# Altium PCB subboard.PcbDoc (part 1 of 2) (continued)
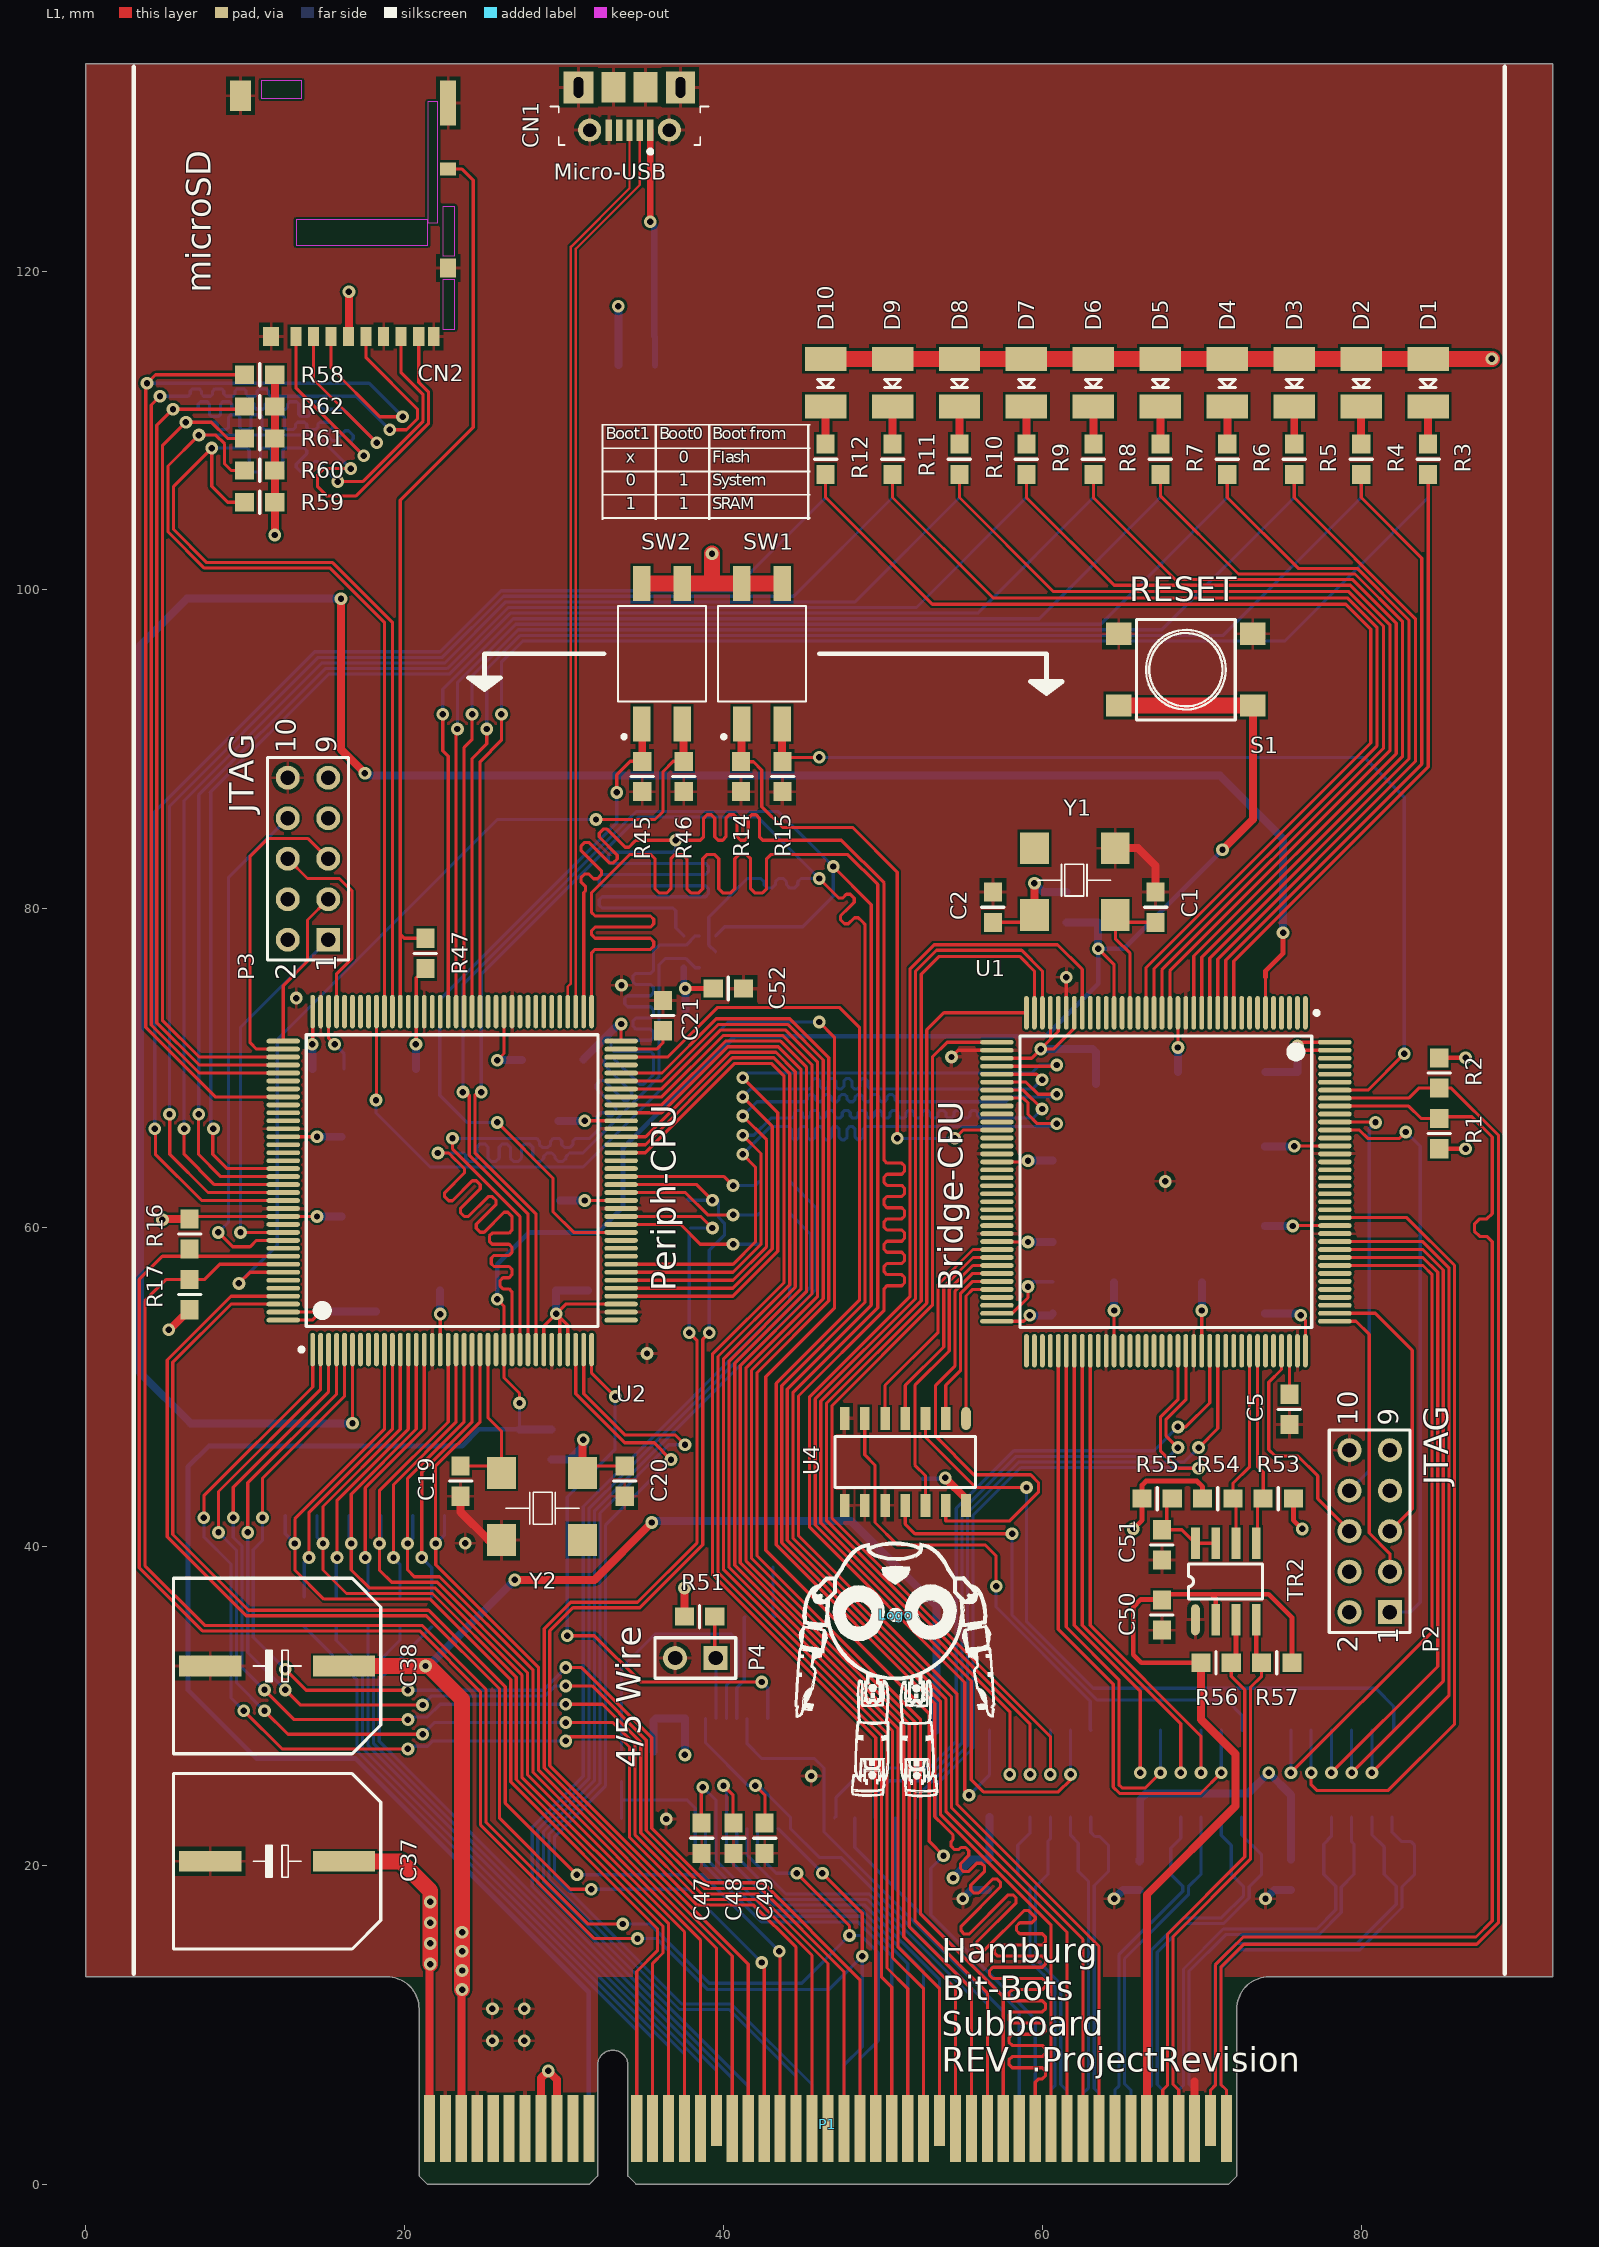
[diagram p0: L1 view]
## Footprints (in the part's own frame and the unit in brackets; to place one, negate y for a bottom-side part, rotate by r counter-clockwise, add the part's x,y. Pads: shape width x height; smd on the part's side, far side on the other; paste and mask are expansions set on the pad) (continued)
MICROSD [mm]
  rect 0.7x1.2 smd: 1(7.975,2.45) 2(6.875,2.45) 3(5.775,2.45) 4(4.675,2.45) 5(3.575,2.45) 6(2.475,2.45) 7(1.375,2.45) 8(0.275,2.45) B(-0.675,2.45)
  rect 1x0.8 smd: A(-1.575,-8.05)
  rect 1x1.2 smd: sh(-1.575,-1.85) sh(9.525,2.45)
  rect 1x2.8 smd: sh(-1.575,-12.2)
  rect 1.3x1.9 smd: sh(11.45,-12.65)
  L1 keep-out region: -2,-1.1 -1.25,-1.1 -1.25,2 -2,2
  L1 keep-out region: -2,-5.7 -1.25,-5.7 -1.25,-2.6 -2,-2.6
  L1 keep-out region: -0.925,-12.275 -0.3,-12.275 -0.3,-4.675 -0.925,-4.675
  L1 keep-out region: 7.6,-13.6 10.15,-13.6 10.15,-12.5 7.6,-12.5
  L1 keep-out region: -0.3,-4.875 7.95,-4.875 7.95,-3.275 -0.3,-3.275
  body extent -1.73,-13.45 12.13,2.7, height 1.69
MLCC2 [mm]
  rect 1.5x2.6 smd: 1(-1.5,0) 2(1.5,0)
  silkscreen extent -0.2,-0.5 0.3,0.5, body extent -1.75,-1.4 1.75,1.4, height 1.7
ONSC-SOT-223_L [mm] "SOT223, 4-Leads, Body 3.7x6.7mm, Pitch 2.3mm, IPC High Density"
  rect 1.05x0.9 smd: 1(-3.375,2.3) 2(-3.375,0) 3(-3.375,-2.3)
  rect 1.05x3.1 smd: 4(3.375,0)
  silkscreen extent -3.5,-3.35 2.45,3.42, body extent -1.85,-3.35 1.85,3.35, height 1.8
PCIeX8-GF-2D-1000-1K-O98 [mm] "Golden finger, PCIeX8, Dual, Opposite, Pitch 1mm, 98-Position"
  rect 0.7x3.2 smd far side paste-1: A1(-9.5,0.5)
  rect 0.7x4.2 smd far side paste-1: A2(-8.5,0) A3(-7.5,0) A4(-6.5,0) A5(-5.5,0) A6(-4.5,0) A7(-3.5,0) A8(-2.5,0) A9(-1.5,0) A10(-0.5,0) A11(0.5,0) A12(3.5,0) A13(4.5,0) A14(5.5,0) A15(6.5,0) A16(7.5,0) A17(8.5,0) A18(9.5,0) A19(10.5,0) A20(11.5,0) A21(12.5,0) A22(13.5,0) A23(14.5,0) A24(15.5,0) A25(16.5,0) A26(17.5,0) A27(18.5,0) A28(19.5,0) A29(20.5,0) A30(21.5,0) A31(22.5,0) A32(23.5,0) A33(24.5,0) A34(25.5,0) A35(26.5,0) A36(27.5,0) A37(28.5,0) A38(29.5,0) A39(30.5,0) A40(31.5,0) A41(32.5,0) A42(33.5,0) A43(34.5,0) A44(35.5,0) A45(36.5,0) A46(37.5,0) A47(38.5,0) A48(39.5,0) A49(40.5,0)
  rect 0.7x4.2 smd paste-1: B1(-9.5,0) B2(-8.5,0) B3(-7.5,0) B4(-6.5,0) B5(-5.5,0) B6(-4.5,0) B7(-3.5,0) B8(-2.5,0) B9(-1.5,0) B10(-0.5,0) B11(0.5,0) B12(3.5,0) B13(4.5,0) B14(5.5,0) B15(6.5,0) B16(7.5,0) B18(9.5,0) B19(10.5,0) B20(11.5,0) B21(12.5,0) B22(13.5,0) B23(14.5,0) B24(15.5,0) B25(16.5,0) B26(17.5,0) B27(18.5,0) B28(19.5,0) B29(20.5,0) B30(21.5,0) B32(23.5,0) B33(24.5,0) B34(25.5,0) B35(26.5,0) B36(27.5,0) B37(28.5,0) B38(29.5,0) B39(30.5,0) B40(31.5,0) B41(32.5,0) B42(33.5,0) B43(34.5,0) B44(35.5,0) B45(36.5,0) B46(37.5,0) B47(38.5,0) B49(40.5,0)
  rect 0.7x3.2 smd paste-1: B17(8.5,0.5) B31(22.5,0.5) B48(39.5,0.5)
R2012 [mm]
  rect 1.2x1.14 smd: 1(-0.95,0) 2(0.95,0)
  silkscreen extent 0,-0.7 0,0.7, body extent -1,-0.62 1,0.63, height 0.78
SOIC8 [mm]
  oval 1.95x0.55 smd: 1(0,0)
  rect 1.95x0.55 smd: 2(0,-1.27) 3(0,-2.54) 4(0,-3.81) 5(4.8,-3.81) 6(4.8,-2.54) 7(4.8,-1.27) 8(4.8,0)
  silkscreen extent 1.3,-4.2 3.5,0.44, body extent -0.6,-4.35 5.4,0.55, height 1.75
SOIC14 [mm] "SOIC, 14-Leads, Body 8,65x3,90mm, Pitch 1,27mm, IPC Medium Density"
  oval 1.45x0.6 smd: 1(-2.725,3.81)
  rect 1.45x0.6 smd: 2(-2.725,2.54) 3(-2.725,1.27) 4(-2.725,0) 5(-2.725,-1.27) 6(-2.725,-2.54) 7(-2.725,-3.81) 8(2.725,-3.81) 9(2.725,-2.54) 10(2.725,-1.27) 11(2.725,0) 12(2.725,1.27) 13(2.725,2.54) 14(2.725,3.81)
  silkscreen extent -1.6,-4.4 1.6,4.4, body extent -2.9,-4.37 3.1,4.38, height 1.75
SPSN-FAC024 [mm] "BGA, 24-Balls, Body 6x8mm, Pitch 1mm"
  round 0.35 smd: A1(-1.5,2.5) A2(-0.5,2.5) A3(0.5,2.5) A4(1.5,2.5) B1(-1.5,1.5) B2(-0.5,1.5) B3(0.5,1.5) B4(1.5,1.5) C1(-1.5,0.5) C2(-0.5,0.5) C3(0.5,0.5) C4(1.5,0.5) D1(-1.5,-0.5) D2(-0.5,-0.5) D3(0.5,-0.5) D4(1.5,-0.5) E1(-1.5,-1.5) E2(-0.5,-1.5) E3(0.5,-1.5) E4(1.5,-1.5) F1(-1.5,-2.5) F2(-0.5,-2.5) F3(0.5,-2.5) F4(1.5,-2.5)
  silkscreen extent -3.77,-4 3,4, body extent -3,-4 3,4, height 1.2
STM-LQFP144_M [mm] "Thin QFP, 144-Leads, Body 20x20mm, Pitch 0.5mm, IPC Low Density"
  oval 2.1x0.3 smd: 1(-10.6,8.75) 2(-10.6,8.25) 3(-10.6,7.75) 4(-10.6,7.25) 5(-10.6,6.75) 6(-10.6,6.25) 7(-10.6,5.75) 8(-10.6,5.25) 9(-10.6,4.75) 10(-10.6,4.25) 11(-10.6,3.75) 12(-10.6,3.25) 13(-10.6,2.75) 14(-10.6,2.25) 15(-10.6,1.75) 16(-10.6,1.25) 17(-10.6,0.75) 18(-10.6,0.25) 19(-10.6,-0.25) 20(-10.6,-0.75) 21(-10.6,-1.25) 22(-10.6,-1.75) 23(-10.6,-2.25) 24(-10.6,-2.75) 25(-10.6,-3.25) 26(-10.6,-3.75) 27(-10.6,-4.25) 28(-10.6,-4.75) 29(-10.6,-5.25) 30(-10.6,-5.75) 31(-10.6,-6.25) 32(-10.6,-6.75) 33(-10.6,-7.25) 34(-10.6,-7.75) 35(-10.6,-8.25) 36(-10.6,-8.75) 73(10.6,-8.75) 74(10.6,-8.25) 75(10.6,-7.75) 76(10.6,-7.25) 77(10.6,-6.75) 78(10.6,-6.25) 79(10.6,-5.75) 80(10.6,-5.25) 81(10.6,-4.75) 82(10.6,-4.25) 83(10.6,-3.75) 84(10.6,-3.25) 85(10.6,-2.75) 86(10.6,-2.25) 87(10.6,-1.75) 88(10.6,-1.25) 89(10.6,-0.75) 90(10.6,-0.25) 91(10.6,0.25) 92(10.6,0.75) 93(10.6,1.25) 94(10.6,1.75) 95(10.6,2.25) 96(10.6,2.75) 97(10.6,3.25) 98(10.6,3.75) 99(10.6,4.25) 100(10.6,4.75) 101(10.6,5.25) 102(10.6,5.75) 103(10.6,6.25) 104(10.6,6.75) 105(10.6,7.25) 106(10.6,7.75) 107(10.6,8.25) 108(10.6,8.75)
  oval 0.3x2.1 smd: 37(-8.75,-10.6) 38(-8.25,-10.6) 39(-7.75,-10.6) 40(-7.25,-10.6) 41(-6.75,-10.6) 42(-6.25,-10.6) 43(-5.75,-10.6) 44(-5.25,-10.6) 45(-4.75,-10.6) 46(-4.25,-10.6) 47(-3.75,-10.6) 48(-3.25,-10.6) 49(-2.75,-10.6) 50(-2.25,-10.6) 51(-1.75,-10.6) 52(-1.25,-10.6) 53(-0.75,-10.6) 54(-0.25,-10.6) 55(0.25,-10.6) 56(0.75,-10.6) 57(1.25,-10.6) 58(1.75,-10.6) 59(2.25,-10.6) 60(2.75,-10.6) 61(3.25,-10.6) 62(3.75,-10.6) 63(4.25,-10.6) 64(4.75,-10.6) 65(5.25,-10.6) 66(5.75,-10.6) 67(6.25,-10.6) 68(6.75,-10.6) 69(7.25,-10.6) 70(7.75,-10.6) 71(8.25,-10.6) 72(8.75,-10.6) 109(8.75,10.6) 110(8.25,10.6) 111(7.75,10.6) 112(7.25,10.6) 113(6.75,10.6) 114(6.25,10.6) 115(5.75,10.6) 116(5.25,10.6) 117(4.75,10.6) 118(4.25,10.6) 119(3.75,10.6) 120(3.25,10.6) 121(2.75,10.6) 122(2.25,10.6) 123(1.75,10.6) 124(1.25,10.6) 125(0.75,10.6) 126(0.25,10.6) 127(-0.25,10.6) 128(-0.75,10.6) 129(-1.25,10.6) 130(-1.75,10.6) 131(-2.25,10.6) 132(-2.75,10.6) 133(-3.25,10.6) 134(-3.75,10.6) 135(-4.25,10.6) 136(-4.75,10.6) 137(-5.25,10.6) 138(-5.75,10.6) 139(-6.25,10.6) 140(-6.75,10.6) 141(-7.25,10.6) 142(-7.75,10.6) 143(-8.25,10.6) 144(-8.75,10.6)
  silkscreen extent -10.72,-9.15 9.15,9.58, body extent -10,-10 10,10, height 1.6
SWITCH [mm]
  rect 1.6x1.4 smd: 1(-4.2,2.25) 1(4.2,2.25) 2(-4.2,-2.25) 2(4.2,-2.25)
  silkscreen extent -3.1,-3.15 3.1,3.15, body extent -4.5,-3 4.5,3, height 4.3
USB-MICROB [mm]
  rect 0.4x1.35 smd: 1(-1.3,1.35) 2(-0.65,1.35) 3(0,1.35) 4(0.65,1.35) 5(1.3,1.35)
  rect 1.8x2 hole 0.6 slot 1.3 at 90 deg: 5(-3.197,-1.325)
  round 1.45 hole 0.85: 5(-2.5,1.35) 5(2.5,1.35)
  rect 1.5x1.9 smd: 5(-1,-1.338) 5(1,-1.338)
  rect 1.9x2 hole 0.6 slot 1.3 at 90 deg: 5(3.197,-1.325)
  silkscreen extent -4.95,-0.13 4.95,2.82, body extent -4.1,-3.9 4.1,1.5, height 2.67

## Part data
BT1: "Multicell Battery"
C1 C2 C3 C4 C5 C6 C7 C8 C9 C10 C11 C12 C13 C14 C15 C16 C17 C18 C19 C20 C21 C22 C23 C24 C25 C26 C27 C28 C29 C30 C31 C32 C33 C34 C35 C36 C39 C40 C42 C43 C44 C45 C46 C47 C48 C49 C50 C51 C52 C53 C411 C412 C413: library part Cap, "Capacitor"
C37 C38: library part "Cap Pol1", "Polarized Capacitor (Radial)"
CN1: library part USB-MicroB
CN2: "Micro SD Card Connector"
D1 D2 D3 D4 D5 D6 D7 D8 D9 D10 D11 D12 D13 D14 D15 D16 D17 D18 D19 D20 D21: library part LED0, "Typical INFRARED GaAs LED"
Logo: library part Logo
P1: library part CMP-0001-00032-2, "Golden finger, PCIeX8, Dual, Opposite, Pitch 1mm, 98-Position"
P2 P3: library part "Header 5X2", "Header, 5-Pin, Dual row"
P4: library part "Header 2", "Header, 2-Pin"
R1 R2 R3 R4 R5 R6 R7 R8 R9 R10 R11 R12 R13 R14 R15 R16 R17 R18 R19 R20 R21 R22 R23 R24 R25 R26 R27 R28 R29 R30 R31 R32 R33 R34 R35 R36 R37 R38 R39 R40 R41 R42 R43 R44 R45 R46 R47 R50 R51 R52 R53 R54 R55 R56 R57 R58 R59 R60 R61 R62 R481 R482 R483 R491 R492 R493: library part Res2, "Resistor"
S1: library part SW-PB, "Switch"
SW1 SW2: library part CMP-1438-00002-1, "WS-DISV 2.54 mm small compact SMD Dip Switch with raised actuator"
TR2: "2-bit bidirectional lo  w voltage translator"
TR11 TR12 TR13: "MAX3079 RS485-Transreceiver"
U1 U2: library part CMP-0243-00063-2, "ARM Cortex-M4 32-bit MCU+FPU, 210 DMIPS, 1024 kB Flash, 192 kB Internal RAM, 114 I/Os, 144-pin LQFP, -40 to 85 degC, Tray"
U3: library part CMP-0592-00001-2, "1.0 A Low-Dropout Positive Fixed Voltage Regulator, 5 V Vout, 0 to 125 degC, 4-Pin SOT-223, Pb-Free, Tape and Reel"
U4 U5: "Quad 3-State Noninverting Buffer"
U6: library part CMP-0379-00026-1, "AR1000 Series Resistive Touch Screen Controller, 1024 x 1024 Resolution, 3.3 Vdc, 5.5 Vdc power, SPI, I²C™ Communication, -40 to 85 degC, 20-pin SSOP (SS20), Tape and Reel"
U7: library part CMP-1329-00014-1, "MirrorBit Flash Non-Volatile Memory CMOS 3.0 Volt Core with Versatile I/O, Serial Peripheral Interface with Multi-I/O, 128 Mbit, 133 MHz, -40 to 85 degC, 24-Ball BGA (FAC024), RoHS, Tray"
Y1 Y2: library part Oszillator, "Oscillator with Enable Input"

## Via types
v1: diameter 0.8, hole 0.4, L1 to L4, 212 vias

## Nets (pads, with @x,y where several pads share a name; then routed paths per layer and width w, separated by ;. In a path a pad name is that pad's centre, name@x,y a point inside that pad or via, vN(x,y) a via of type N, cw(c..) or ccw(c..) an arc to the next point about the centre after c; other vN are vias at no path point)
+1V8: C50.1 P1.B44 R56.2 R57.2 TR2.2 | length 55.3
  L1 w0.3: R56.2@69.95,32.7 66.2,32.7 65.7,33.2 65.7,36.2 66.175,36.675 67.5,36.675 67.825,37 70.6,37 ; TR2.2@70.87,35.4 70.87,36.73 70.6,37 ; R57.2@75.65,32.7 75.65,35.55 74.2,37 70.6,37
  L1 w0.5: P1.B44@66.55,3.5 66.55,18.15 72.12,23.72 72.12,26.98 69.95,29.15 R56.2@69.95,32.7
+3V3: C2.1 C6.2 C7.2 C8.2 C9.2 C10.2 C11.2 C12.2 C13.2 C14.2 C15.2 C16.2 C17.2 C18.2 C20.1 C24.2 C25.2 C26.2 C27.2 C28.2 C29.2 C30.2 C31.2 C32.2 C33.2 C34.2 C35.2 C36.2 C37.1 C40.2 C42.1 C44.1 C45.1 C52.1 C53.1 C411.1 C412.1 C413.1 CN2.4 D1.1 D2.1 D3.1 D4.1 D5.1 D6.1 D7.1 D8.1 D9.1 D10.1 D11.1 D12.1 D13.1 D14.1 D15.1 D16.1 D17.1 D18.1 D19.1 D20.1 P1.A1 P1.B1 P1.B8 P1.B9 P2.2 P3.2 R1.1 R2.2 R13.1 R16.1 R17.2 R44.1 R47.2 R51.2 R53.1 R54.1 R55.2 R58.1 R59.1 R60.1 R61.1 R62.1 SW1.3 SW1.4 SW2.3 SW2.4 TR11.14 TR12.14 TR13.14 U1.17 U1.30 U1.32 U1.33 U1.39 U1.52 U1.62 U1.72 U1.84 U1.95 U1.108 U1.121 U1.131 U1.143 U1.144 U2.17 U2.30 U2.32 U2.33 U2.39 U2.52 U2.62 U2.72 U2.84 U2.95 U2.108 U2.121 U2.131 U2.143 U2.144 U3.2 U4.14 U6.1 U7.B4 Y1.4 Y2.4 | length 353.7
  L1 w0.2: R16.1@6.5,60.55 6.65,60.7 U2.131@12.375,60.7 v1(14.5,60.7) ; U2.144@12.375,54.2 14.2,54.2 14.7,54.7 U2.143@12.375,54.7 ; U2.121@12.375,65.7 v1(14.5,65.7) ; v1(14.2,71.5) 14.225,71.525 U2.108@14.225,73.55 ; v1(20.7,71.5) 20.725,71.525 U2.95@20.725,73.55 20.725,75.675 R47.2@21.3,76.25 ; U2.17@22.225,52.35 v1(22.225,54.575) ; v1(25.8,70.5) 26.225,70.925 U2.84@26.225,73.55 ; U2.30@28.725,52.35 28.725,53.825 v1(29.5,54.6) ; U2.32@29.725,52.35 v1@29.725,54.375 ; U2.33@30.225,52.35 30.225,53.875 v1@29.725,54.375 ; Y2.4@31.15,44.6 31.6,45.05 C20.1@33.8,45.05 ; v1(31.3,61.7) U2.52@33.575,61.7 ; v1(31.3,66.7) U2.62@33.575,66.7 ; U2.39@33.575,55.2 30.1,55.2 v1(29.5,54.6) ; U2.72@33.575,71.7 v1(33.575,72.775) ; C2.1@56.9,79.15 59.05,79.15 Y1.4@59.5,79.6 ; U1.72@57.15,54.125 58.825,54.125 v1(59.2,54.5) ; U1.62@57.15,59.125 57.175,59.1 v1(59.1,59.1) ; U1.52@57.15,64.125 59.025,64.125 v1(59.1,64.2) ; U1.39@57.15,70.625 59.325,70.625 v1(59.9,71.2) ; U1.33@60.5,73.475 60.5,71.8 ; U1.32@61,73.475 61,72.3 60.5,71.8 ; U1.30@62,73.475 62,72.509 60.691,71.2 v1(59.9,71.2) ; U1.84@64.5,52.275 v1(64.5,54.8) ; v1(68.5,71.3) U1.17@68.5,73.475 ; U1.95@70,52.275 v1(70,54.8) ; v1(75.7,60.1) 75.725,60.125 U1.121@78.35,60.125 ; v1(75.8,65.1) 75.825,65.125 U1.131@78.35,65.125 ; v1(76.2,54.5) 76.5,54.2 U1.108@76.5,52.275 ; U1.143@78.35,71.125 76.275,71.125 v1(76,71.4) 76.225,71.625 U1.144@78.35,71.625 ; v1(29.5,54.6) v1@29.725,54.375 ; v1(59.9,71.2) 60.5,71.8
  L1 w0.3: v1(37.6,75) C52.1@39.35,75 ; v1(65.7,41.1) 66.25,41.65 R55.2@66.25,43 66.25,43.85 66.5,44.1 69.7,44.1 70.05,43.75 R54.1@70.05,43 ; R53.1@75.75,43 75.75,41.65 v1(76.3,41.1) ; R1.1@84.9,64.95 v1(86.55,64.95) ; R2.2@84.9,70.65 v1(86.55,70.65)
  L1 w0.5: v1(4.8,60.5) 4.85,60.55 R16.1@6.5,60.55 ; v1(5.2,53.6) 5.25,53.6 R17.2@6.5,54.85 ; v1(11.85,103.45) R59.1@11.85,105.5 R60.1@11.85,107.5 R61.1@11.85,109.5 R62.1@11.85,111.5 R58.1@11.85,113.5 ; CN2.4@16.475,115.9 16.5,115.925 v1(16.5,118.7) ; P1.B1@21.55,3.5 21.55,13.75 v1(21.6,13.8) ; P1.B8@28.55,3.5 28.55,6.65 v1(29,7.1) 29.55,6.55 P1.B9@29.55,3.5 ; Y2.4@31.15,44.6 31.15,46.65 v1(31.2,46.7) ; R51.2@37.55,35.6 v1(37.55,37.4) ; v1(53.9,44.3) 55.21,42.99 U4.14@55.21,42.575 ; Y1.4@59.5,79.6 v1(59.5,81.6)
  L1 w1: C37.1@16.2,20.25 19.75,20.25 21.6,18.4 v1(21.6,17.7) v1(21.6,16.4) v1(21.6,15.1) v1(21.6,13.8) ; SW2.4@34.88,100.4 SW2.3@37.42,100.4 39.275,100.4 ; v1(39.275,102.275) 39.275,100.4 ; SW1.3@43.67,100.4 SW1.4@41.13,100.4 39.275,100.4 ; D10.1@46.4,114.5 D9.1@50.6,114.5 D8.1@54.8,114.5 D7.1@59,114.5 D6.1@63.2,114.5 D5.1@67.4,114.5 D4.1@71.6,114.5 D3.1@75.8,114.5 D2.1@80,114.5 D1.1@84.2,114.5 v1(88.2,114.5)
  L4 w0.3: v1@37.5,75.1 v1(37.6,75) ; C42.1@52.5,44.25 53.85,44.25 v1(53.9,44.3)
  L4 w0.4: v1@37.5,75.1 U7.B4@37.5,76.3
  L4 w0.5: C24.2@14.2,69.95 v1(14.2,71.5) ; v1(14.5,60.7) C33.2@16.05,60.7 ; v1(14.5,65.7) C34.2@16.05,65.7 ; v1(14.75,54.75) C32.2@16.4,54.75 C25.2@18.2,54.75 ; C26.2@20.7,69.95 v1(20.7,71.5) ; P1.A1@21.55,4 21.55,13.75 v1(21.6,13.8) v1(21.6,15.1) v1(21.6,16.4) v1(21.6,17.7) ; C31.2@22.2,56.05 22.225,56.025 v1(22.225,54.575) ; v1(25.8,70.5) C27.2@27.35,70.5 ; R44.1@29.2,45.45 30.35,45.45 31.2,46.3 v1(31.2,46.7) ; v1(29.5,54.6) C29.2@29.5,56.05 C35.2@31.5,56.05 ; C30.2@29.65,66.7 v1(31.3,66.7) ; C36.2@29.75,61.7 v1(31.3,61.7) ; C28.2@31.2,70.55 33.425,72.775 v1(33.575,72.775) ; U3.2@33.4,114.1 C40.2@33.4,115.925 v1(33.4,117.8) ; C45.1@35.6,27.15 C44.1@35.6,29.05 35.75,29.2 U6.1@37.575,29.2 v1(37.575,26.925) ; C53.1@37.6,73.65 v1(37.6,75) ; v1(54.4,19.2) 55.55,20.35 C413.1@56.5,20.35 ; C413.1@56.6,20.35 56.69,20.44 TR11.14@56.69,23.025 ; v1(59.1,59.1) C16.2@60.65,59.1 ; v1(59.1,64.2) C11.2@60.65,64.2 ; v1(59.2,54.5) 60.55,54.5 C15.2@60.65,54.6 ; v1(59.5,81.6) 60.05,81.05 R13.1@61.5,81.05 ; v1(59.9,71.2) 63.15,71.2 C17.2@63.35,71 C18.2@63.35,69 ; v1(64.5,54.8) C14.2@64.5,56.55 ; C411.1@66.1,20.35 66.1,20.25 66.14,20.29 TR12.14@66.14,23.025 66.14,24.14 66.5,24.5 72.9,24.5 v1(74.2,25.8) 75.59,24.41 TR13.14@75.59,23.025 ; C6.2@68.5,69.75 v1(68.5,71.3) ; v1(70,54.8) C13.2@70,56.55 ; C12.2@73.95,54.6 76.1,54.6 v1(76.2,54.5) ; C10.2@73.95,60.1 v1(75.7,60.1) ; C9.2@73.95,65.1 v1(75.8,65.1) ; C8.2@74,69.75 C7.2@76,69.75 v1(76,71.4) ; C412.1@75.6,20.35 TR13.14@75.6,22.935
  L4 w1: D20.1@46.4,114.5 D19.1@50.6,114.5 D18.1@54.8,114.5 D17.1@59,114.5 D16.1@63.2,114.5 D15.1@67.4,114.5 D14.1@71.6,114.5 D13.1@75.8,114.5 D12.1@80,114.5 D11.1@84.2,114.5 v1(88.2,114.5)
+5V: C38.1 C43.1 P1.A3 P1.B3 U5.14 | length 93.4
  L1 w0.5: P1.B3@23.55,3.5 23.55,12.15 v1(23.6,12.2) ; v1(26.9,37.9) 31.9,37.9 v1(35.5,41.5)
  L1 w1: C38.1@16.2,32.5 v1(21.3,32.5) 21.5,32.5 23.6,30.4 v1(23.6,15.8) v1(23.6,14.6) v1(23.6,13.4) v1(23.6,12.2)
  L4 w0.5: v1(21.3,32.5) 21.5,32.5 v1(26.9,37.9) ; P1.A3@23.55,3.5 23.55,12.15 v1(23.6,12.2) ; v1(35.5,41.5) 35.6,41.6 48,41.6 53.35,36.25 C43.1@53.35,30.6 53.31,30.56 U5.14@53.31,28.425
  L4 w1: v1(23.6,12.2) v1(23.6,13.4) v1(23.6,14.6) v1(23.6,15.8)
\FLASH_SS: U2.27 U7.C2 | length 64
  L1 w0.2: v1(23,65.6) 23,64.928 27.225,60.703 U2.27@27.225,52.35
  L4 w0.2: v1(23,65.6) 27.9,65.6 28.275,65.6 28.45,65.425 28.45,65.206 28.625,65.031 28.975,65.031 29.15,65.206 29.15,65.425 29.325,65.6 29.675,65.6 29.85,65.425 29.85,65.206 30.025,65.031 30.375,65.031 30.55,65.206 30.55,65.425 30.725,65.6 31.25,65.6 31.6,65.6 31.888,65.888 32.259,66.259 32.259,66.506 32.05,66.716 32.05,66.963 32.297,67.211 32.545,67.211 32.754,67.001 33.001,67.001 33.249,67.249 33.249,67.496 32.02,68.725 32.02,68.973 32.267,69.22 32.515,69.22 33.744,67.991 33.991,67.991 34.239,68.239 34.239,68.486 32.502,70.223 32.502,70.47 32.75,70.718 32.997,70.718 34.734,68.981 34.981,68.981 35.353,69.353 35.6,69.6 35.6,69.65 35.6,70.35 35.6,70.875 35.425,71.05 33.107,71.05 32.932,71.225 32.932,71.575 33.107,71.75 35.425,71.75 35.6,71.925 35.6,72.275 35.425,72.45 34.5,72.45 34.325,72.625 34.325,72.975 34.5,73.15 35.425,73.15 35.6,73.325 35.6,73.675 35.425,73.85 33.974,73.85 33.799,74.025 33.799,74.375 33.974,74.55 35.425,74.55 35.6,74.725 35.6,75.075 35.425,75.25 34.49,75.25 34.315,75.425 34.315,75.775 34.49,75.95 35.425,75.95 35.6,76.125 35.6,76.65 35.6,77 35.6,77.351 35.974,77.725 37.65,77.725 38.225,78.3 U7.C2@38.5,78.3
\FLASH_WP: U2.26 U7.C4 | length 63.9
  L1 w0.2: v1(22.081,64.681) 22.753,64.681 23.133,64.3 23.381,64.053 23.752,63.681 23.752,63.434 22.504,62.185 22.504,61.938 22.751,61.69 22.999,61.69 24.247,62.939 24.494,62.939 24.742,62.691 24.742,62.444 23.494,61.195 23.494,60.948 23.741,60.7 23.988,60.7 25.237,61.949 25.484,61.949 25.732,61.701 25.732,61.454 24.483,60.205 24.483,59.958 24.731,59.71 24.978,59.71 26.227,60.959 26.474,60.959 26.725,60.708 26.725,60.358 26.725,59.833 26.55,59.658 25.483,59.658 25.308,59.483 25.308,59.133 25.483,58.958 26.55,58.958 26.725,58.783 26.725,58.433 26.55,58.258 25.6,58.258 25.425,58.083 25.425,57.733 25.6,57.558 26.55,57.558 26.725,57.383 26.725,57.033 26.55,56.858 26.159,56.858 25.984,56.683 25.984,56.333 26.159,56.158 26.55,56.158 26.725,55.983 26.725,55.7 U2.26@26.725,52.35
  L4 w0.2: v1(22.081,64.681) 23.7,64.681 23.826,64.555 23.826,64.36 24.036,64.15 24.316,64.15 24.526,64.36 24.526,64.681 24.526,65.04 24.736,65.25 25.016,65.25 25.226,65.04 25.226,64.681 25.226,64.36 25.436,64.15 25.716,64.15 25.926,64.36 25.926,64.681 25.926,65.04 26.136,65.25 26.416,65.25 26.626,65.04 26.626,64.681 26.626,64.36 26.836,64.15 27.116,64.15 27.326,64.36 27.326,64.681 27.326,65.04 27.536,65.25 27.816,65.25 28.026,65.04 28.026,64.681 28.026,64.36 28.236,64.15 28.516,64.15 28.726,64.36 28.726,64.471 28.936,64.681 29.216,64.681 29.426,64.471 29.426,64.36 29.636,64.15 29.916,64.15 30.126,64.36 30.126,64.471 30.336,64.681 30.826,64.681 31.176,64.681 31.248,64.753 31.743,65.248 32.238,65.743 32.733,66.238 33.228,66.733 33.723,67.228 34.218,67.723 34.713,68.218 35.208,68.713 35.703,69.208 35.95,69.455 35.95,76.501 36.324,76.875 37.65,76.875 38.225,76.3 U7.C4@38.5,76.3
\RST: C3.2 C22.2 P1.A11 R13.2 R44.2 S1.1 U1.25 U2.25 | length 176.3
  L1 w0.2: v1(25.8,55.5) 26.225,55.075 U2.25@26.225,52.35 26.225,50.575 27.2,49.6 v1(27.2,49) ; v1(63.5,77.5) 64.5,76.5 U1.25@64.5,73.475
  L1 w0.5: v1(71.3,83.7) 73.2,85.6 S1.1@73.2,92.75
  L1 w1: S1.1@64.8,92.75 S1.1@73.2,92.75
  L4 w0.2: C22.2@27.2,47.35 v1(27.2,49)
  L4 w0.3: v1(25.8,55.5) 25.8,57.7 27.8,59.7 32.1,59.7 33.7,61.3 33.7,65 40.7,72 60.2,72 63.5,75.3 v1(63.5,77.5) 65.1,77.5 v1(71.3,83.7) ; C22.2@27.2,47.35 C22.2@27.1,47.35 24.65,47.35 23.6,46.3 7.7,46.3 6.4,45 6.4,31 10.7,26.7 16.9,26.7 31.55,12.05 P1.A11@31.55,3.5
  L4 w0.5: C22.2@27.2,47.35 R44.2@29.2,47.35 ; R13.2@61.5,79.15 C3.2@63.5,79.15 v1(63.5,77.5)
A1_N: P1.A39 R481.1 TR11.11 | length 20.7
  L4 w0.2: TR11.11@60.5,23.025 60.5,21.675 60.35,21.525 R481.1@60.35,20.3 60.35,19.43 59.575,18.655 59.575,14.125 61.15,12.55 61.15,6.25 61.55,5.85 P1.A39@61.55,3.5
A1_P: P1.A38 R481.2 TR11.12 | length 20.9
  L4 w0.2: TR11.12@59.23,23.025 59.23,22.03 58.45,21.25 R481.2@58.45,20.3 58.45,19.43 59.225,18.655 59.225,13.98 60.8,12.405 60.8,6.2 60.55,5.95 P1.A38@60.55,3.5
A2_N: P1.A43 R482.1 TR12.11 | length 21.7
  L4 w0.2: P1.A43@65.55,3.5 65.55,5.9 65.15,6.3 65.15,14.13 69.16,18.14 69.16,18.64 69.95,19.43 R482.1@69.95,20.3 TR12.11@69.95,23.025
A2_P: P1.A42 R482.2 TR12.12 | length 21.9
  L4 w0.2: P1.A42@64.55,3.5 64.55,5.9 64.8,6.15 64.8,14.375 68.8,18.375 68.8,18.68 68.05,19.43 R482.2@68.05,20.3 68.05,21.075 68.68,21.705 TR12.12@68.68,23.025
A3_N: P1.A47 R483.1 TR13.11 | length 27.4
  L4 w0.2: P1.A47@69.55,3.5 69.55,5.9 69.2,6.25 69.2,13.35 71.5,15.65 77.35,15.65 78.75,17.05 78.75,18.63 79.55,19.43 R483.1@79.55,20.3 79.55,21.33 79.4,21.48 TR13.11@79.4,23.025
A3_P: P1.A46 R483.2 TR13.12 | length 27.5
  L4 w0.2: P1.A46@68.55,3.5 68.55,5.9 68.85,6.2 68.85,13.495 71.355,16 77.2,16 78.4,17.2 78.4,18.68 77.65,19.43 R483.2@77.65,20.3 77.65,21.33 78.13,21.81 TR13.12@78.13,23.025
BOOT0_1: R15.2 SW1.2 U1.138 | length 63.9
  L1 w0.2: R15.2@43.7,89.25 43.95,89.5 v1(46,89.5) ; U1.138@78.35,68.625 80.425,68.625 v1(82.7,70.9)
  L1 w0.5: R15.2@43.67,89.22 SW1.2@43.67,91.6
  L4 w0.2: v1(46,89.5) 80.2,89.5 82.7,87 v1(82.7,70.9)
BOOT0_2: R46.2 SW2.2 U2.138 | length 55.9
  L1 w0.2: v1(9.6,56.5) 10.3,57.2 U2.138@12.375,57.2 ; v1(32,85.6) 35.7,85.6 36.2,86.1 36.2,88.6 36.85,89.25 R46.2@37.5,89.25
  L1 w0.5: R46.2@37.5,89.25 SW2.2@37.5,91.63
  L4 w0.2: v1(9.6,56.5) 12,58.9 12,71.8 25.8,85.6 v1(32,85.6)
BOOT1_1: R14.1 SW1.1 U1.48 | length 39.5
  L1 w0.2: R14.1@41.13,89.22 41.88,89.22 42.4,88.7 42.4,86.4 43.7,85.1 48.1,85.1 50.9,82.3 v1(50.9,65.6) ; v1(54.5,65.6) 55.025,66.125 U1.48@57.15,66.125
  L1 w0.5: R14.1@41.13,89.22 SW1.1@41.13,91.554
  L4 w0.2: v1(50.9,65.6) v1(54.5,65.6)
BOOT1_2: R45.1 SW2.1 U2.48 | length 45.1
  L1 w0.2: v1(25.8,66.6) 29.3,63.1 29.3,61 30.6,59.7 U2.48@33.575,59.7 ; v1(33.3,87.3) 33.3,88.4 34.15,89.25 R45.1@34.9,89.25
  L1 w0.5: R45.1@34.9,89.25 SW2.1@34.9,91.57
  L4 w0.2: v1(25.8,66.6) 23.9,66.6 22.2,68.3 22.2,74.3 33.3,85.4 v1(33.3,87.3)
BRIDGE1.\RE: TR13.3 U1.117 | length 43.7
  L1 w0.2: v1(78.13,25.8) 84.8,32.47 84.8,57.195 83.87,58.125 U1.117@78.35,58.125
  L4 w0.2: v1(78.13,25.8) TR13.3@78.13,28.475
BRIDGE1.DE: TR13.4 U1.118 | length 43.9
  L1 w0.2: U1.118@78.35,58.625 83.865,58.625 85.15,57.34 85.15,31.55 v1(79.4,25.8)
  L4 w0.2: v1(79.4,25.8) TR13.4@79.4,28.475
BRIDGE1.H/F\: TR13.1 U1.116 | length 43.9
  L1 w0.2: v1(75.59,25.8) 84.45,34.66 84.45,57.05 83.875,57.625 U1.116@78.35,57.625
  L4 w0.2: v1(75.59,25.8) TR13.1@75.59,28.475
BRIDGE1.UART.RX: TR13.2 U1.122 | length 51.8
  L1 w0.2: v1(76.86,25.8) 76.86,25.04 77.2,24.7 81.7,24.7 85.85,28.85 85.85,57.63 82.855,60.625 U1.122@78.35,60.625
  L4 w0.2: v1(76.86,25.8) TR13.2@76.86,28.475
BRIDGE1.UART.TX: TR13.5 U1.119 | length 44.2
  L1 w0.2: U1.119@78.35,59.125 83.86,59.125 85.5,57.485 85.5,30.63 v1(80.67,25.8)
  L4 w0.2: v1(80.67,25.8) TR13.5@80.67,28.475
BRIDGE2.\RE: TR11.3 U1.36 | length 64.1
  L1 w0.2: U1.36@59,73.475 53.825,73.475 52.75,72.4 52.75,55.265 46.45,48.965 46.45,41.635 59.23,28.855 v1(59.23,25.7)
  L4 w0.2: v1(59.23,25.7) TR11.3@59.23,28.475
BRIDGE2.DE: TR11.4 U1.37 | length 60.5
  L1 w0.2: U1.37@57.15,71.625 54.025,71.625 53.1,70.7 53.1,55.12 46.8,48.82 46.8,41.78 60.5,28.08 v1(60.5,25.7)
  L4 w0.2: v1(60.5,25.7) TR11.4@60.5,28.475
BRIDGE2.H/F\: TR11.1 U1.29 | length 78
  L1 w0.2: v1(55.4,24.4) 55.134,24.666 55.134,31.466 45.4,41.2 45.4,49.4 51.7,55.7 51.7,76.24 53.21,77.75 60.95,77.75 62.5,76.2 U1.29@62.5,73.475
  L4 w0.2: v1(55.4,24.4) 56.69,25.69 TR11.1@56.69,28.475
BRIDGE2.UART.RX: TR11.2 U1.35 | length 71.1
  L1 w0.2: v1(57.96,25.7) 57.96,29.63 46.1,41.49 46.1,49.11 52.4,55.41 52.4,75.9 53.5,77 58.6,77 59.5,76.1 U1.35@59.5,73.475
  L4 w0.2: v1(57.96,25.7) TR11.2@57.96,28.475
BRIDGE2.UART.TX: TR11.5 U1.34 | length 79
  L1 w0.2: U1.34@60,73.475 60,76.095 58.695,77.4 53.355,77.4 52.05,76.095 52.05,55.555 45.75,49.255 45.75,41.345 55.534,31.561 55.534,25.366 56.3,24.6 61,24.6 61.77,25.37 v1(61.77,25.7)
  L4 w0.2: v1(61.77,25.7) TR11.5@61.77,28.475
BRIDGE3.\RE: TR12.3 U1.80 | length 31.7
  L1 w0.2: U1.80@62.5,52.275 62.5,35.054 68.68,28.874 v1(68.68,25.8)
  L4 w0.2: v1(68.68,25.8) TR12.3@68.68,28.475
BRIDGE3.DE: TR12.4 U1.81 | length 32
  L1 w0.2: U1.81@63,52.275 63,35.049 69.95,28.099 v1(69.95,25.8)
  L4 w0.2: v1(69.95,25.8) TR12.4@69.95,28.475
BRIDGE3.H/F\: TR12.1 U1.79 | length 30.9
  L1 w0.2: U1.79@62,52.275 62,35.059 66.14,30.919 v1(66.14,25.8)
  L4 w0.2: v1(66.14,25.8) TR12.1@66.14,28.475
BRIDGE3.UART.RX: TR12.2 U1.78 | length 34.4
  L1 w0.2: U1.78@61.5,52.275 61.5,34.945 64.8,31.645 64.8,25.05 65,24.85 66.46,24.85 v1(67.41,25.8)
  L4 w0.2: v1(67.41,25.8) TR12.2@67.41,28.475
BRIDGE3.UART.TX: TR12.5 U1.77 | length 39
  L1 w0.2: U1.77@61,52.275 61,34.8 64.45,31.35 64.45,24.905 64.855,24.5 69.92,24.5 v1(71.22,25.8)
  L4 w0.2: v1(71.22,25.8) TR12.5@71.22,28.475
BUT0: P1.B12 R26.1 U2.10 | length 66.9
  L1 w0.2: v1@13.108,40.039 13.108,38.521 14.929,36.7 21.6,36.7 26.65,31.65 26.65,25.237 35.85,16.037 35.85,14.639 34.55,13.339 P1.B12@34.55,3.5 ; v1(13.108,40.184) 13.108,41.729 18.725,47.346 U2.10@18.725,52.35
  L4 w0.2: R26.1@12.5,41.95 12.5,40.791 v1(13.108,40.184)
BUT1: P1.B13 R27.1 U2.12 | length 64.9
  L1 w0.2: v1@14.875,40.039 14.875,38.521 16.347,37.05 21.745,37.05 27,31.795 27,25.382 36.2,16.182 36.2,14.494 35.55,13.844 P1.B13@35.55,3.5 ; v1(14.875,40.184) 14.875,42.507 19.725,47.356 U2.12@19.725,52.35
  L4 w0.2: R27.1@14.5,41.95 14.5,40.559 v1(14.875,40.184)
BUT2: P1.B14 R28.1 U2.14 | length 62.9
  L1 w0.2: v1@16.643,40.039 16.643,38.521 17.764,37.4 21.89,37.4 27.35,31.94 27.35,25.527 36.55,16.327 P1.B14@36.55,3.5 ; v1(16.643,40.184) 16.643,43.285 20.725,47.366 U2.14@20.725,52.35
  L4 w0.2: R28.1@16.5,41.95 16.5,40.327 v1(16.643,40.184)
BUT3: P1.B15 R29.1 U2.18 | length 61.9
  L1 w0.2: v1@18.411,40.039 18.411,38.521 19.182,37.75 22.035,37.75 27.7,32.085 27.7,25.672 37.55,15.822 P1.B15@37.55,3.5 ; v1(18.411,40.184) 18.411,43.491 22.725,47.805 U2.18@22.725,52.35
  L4 w0.2: v1(18.411,40.184) 18.5,40.273 R29.1@18.5,41.95
BUT4: P1.B16 R30.1 U2.20 | length 60.8
  L1 w0.2: U2.20@23.725,52.35 23.725,47.815 20.179,44.269 v1(20.179,40.184) 20.179,38.521 20.6,38.1 22.18,38.1 28.05,32.23 28.05,25.817 38.55,15.317 P1.B16@38.55,3.5
  L4 w0.2: v1(20.179,40.184) 20.5,40.505 R30.1@20.5,41.95
BUT5: P1.B17 R31.1 U2.22 | length 58.8
  L1 w0.2: U2.22@24.725,52.35 24.725,47.825 21.927,45.027 21.927,40.203 v1(21.946,40.184) 21.946,38.854 28.4,32.4 28.4,25.962 39.55,14.812 P1.B17@39.55,4
  L4 w0.2: v1(21.946,40.184) 22.5,40.737 R31.1@22.5,41.95
BUT6: P1.B18 R32.1 U2.50 | length 75.1
  L1 w0.2: U2.50@33.575,60.7 38.575,60.7 v1(39.3,59.975) ; v1(37.85,53.4) 38.341,52.909 38.341,40.241 34.6,36.5 30.405,36.5 28.75,34.845 28.75,26.107 40.55,14.307 P1.B18@40.55,3.5
  L4 w0.2: v1(37.85,53.4) R32.1@37.85,59.7 ; R32.1@37.925,59.975 v1(39.3,59.975)
BUT7: P1.B19 R33.1 U2.54 | length 78.6
  L1 w0.2: U2.54@33.575,62.7 38.316,62.7 v1(39.3,61.716) ; v1(39.1,53.4) 38.691,52.991 38.691,40.096 34.745,36.15 30.55,36.15 29.1,34.7 29.1,26.252 41.55,13.802 P1.B19@41.55,3.5
  L4 w0.2: R33.1@37.75,61.8 37.834,61.716 v1(39.3,61.716) 39.681,61.716 39.681,60.655 40.05,60.286 40.05,59.525 39.1,58.575 v1(39.1,53.4)
GND: BT1.2 C1.1 C2.2 C3.1 C4.2 C5.2 C6.1 C7.1 C8.1 C9.1 C10.1 C11.1 C12.1 C13.1 C14.1 C15.1 C16.1 C17.1 C18.1 C19.1 C20.2 C21.2 C22.1 C23.2 C24.1 C25.1 C26.1 C27.1 C28.1 C29.1 C30.1 C31.1 C32.1 C33.1 C34.1 C35.1 C36.1 C37.2 C38.2 C39.1 C40.1 C42.2 C43.2 C44.2 C45.2 C46.1 C47.1 C48.1 C49.1 C50.2 C51.2 C52.2 C53.2 C411.2 C412.2 C413.2 CN1.5 CN2.6 CN2.B CN2.sh D21.2 P1.A2 P1.A4 P1.A5 P1.A6 P1.A7 P1.A8 P1.A9 P1.B2 P1.B4 P1.B7 P1.B47 P2.10 P3.10 P4.2 R14.2 R15.1 R26.2 R27.2 R28.2 R29.2 R30.2 R31.2 R32.2 R33.2 R45.2 R46.1 S1.2 TR2.1 TR11.7 TR12.7 TR13.7 U1.16 U1.31 U1.38 U1.51 U1.61 U1.83 U1.94 U1.107 U1.120 U1.130 U2.16 U2.31 U2.38 U2.51 U2.61 U2.83 U2.94 U2.107 U2.120 U2.130 U3.1 U3.4 U4.7 U4.8 U4.9 U4.10 U5.7 U5.8 U5.9 U5.10 U5.11 U5.12 U5.13 U6.2 U6.8 U6.20 U7.B3 Y1.2 Y2.2 | length 22.6
  L1 w0.2: v1(54.3,70.7) 54.725,71.125 U1.38@57.15,71.125 ; U1.31@61.5,73.475 v1(61.5,75.7)
  L1 w0.5: C19.1@23.5,43.15 23.5,42.168 25.221,40.446 25.221,40.4 Y2.2@26.07,40.4 ; Y1.2@64.58,83.8 66,83.8 67.1,82.7 C1.1@67.1,81.05 ; P1.B47@69.55,3.5 69.55,6.45
  L4 w0.5: v1(55,17.9) 55.55,18.45 C413.2@56.5,18.45 C413.2@56.6,18.45 ; v1(64.5,17.9) 65.05,18.45 C411.2@66.1,18.45 ; v1(74,17.9) 74.55,18.45 C412.2@75.6,18.45
  other v1: 25.5,9 27.5,9 25.5,11 27.5,11 36.4,22.9 45.5,25.6 23.8,40.2 35.2,52.1 67.7,62.9 13.2,74.4 33.6,75.2
GPIO0: P1.B20 U2.141 | length 83.6
  L1 w0.2: U2.141@12.375,55.7 9.105,55.7 5.1,51.695 5.1,40.605 10.055,35.65 21.355,35.65 25.95,31.055 25.95,22.95 30.4,18.5 v1(31.7,18.5) ; v1(42.4,13.9) 42.55,13.75 P1.B20@42.55,3.5
  L4 w0.2: v1(31.7,18.5) 37.8,18.5 v1(42.4,13.9)
GPIO1: P1.B21 U2.142 | length 83.5
  L1 w0.2: U2.142@12.375,55.2 9.1,55.2 5.45,51.55 5.45,40.75 10.2,36 21.5,36 26.3,31.2 26.3,23.9 v1(30.8,19.4) ; v1(43.5,14.6) 43.55,14.55 P1.B21@43.55,3.5
  L4 w0.2: v1(30.8,19.4) 38.7,19.4 v1(43.5,14.6)
GPIO2: P1.B22 U2.1 | length 82.6
  L1 w0.2: v1(7.4,41.8) 7.4,43.175 14.225,50 U2.1@14.225,52.35 ; v1(9.9,29.7) 12.3,27.3 v1(20.2,27.3) ; v1(30.1,27.8) 30.359,28.059 33.459,28.059 34.1,27.417 34.1,21.747 38.347,17.5 41.9,17.5 44.55,14.85 P1.B22@44.55,3.5
  L4 w0.2: v1(7.4,41.8) 7.4,40.6 9.1,38.9 9.1,30.5 v1(9.9,29.7) ; v1(20.2,27.3) 20.369,27.469 21.43,27.469 21.761,27.8 v1(30.1,27.8)
GPIO3: P1.B23 U2.2 | length 82
  L1 w0.2: v1(8.319,40.881) 8.319,43.449 14.725,49.855 U2.2@14.725,52.35 ; v1(11.2,29.7) 12.681,28.219 v1(21.119,28.219) ; v1(30.1,28.95) 33.062,28.95 34.45,27.562 34.45,21.892 38.492,17.85 42.045,17.85 45.55,14.345 P1.B23@45.55,3.5
  L4 w0.2: v1(8.319,40.881) 9.45,39.75 9.45,31.45 v1(11.2,29.7) ; v1(21.119,28.219) 21.85,28.95 v1(30.1,28.95)
GPIO4: P1.B24 U2.3 | length 81.6
  L1 w0.2: v1(9.238,41.8) 9.238,43.724 15.225,49.71 U2.3@15.225,52.35 ; v1(11.2,31) 13.062,29.138 v1(20.2,29.138) ; v1(30.1,30.1) 32.407,30.1 34.8,27.707 34.8,22.037 38.637,18.2 42.19,18.2 46.55,13.84 P1.B24@46.55,3.5
  L4 w0.2: v1(9.238,41.8) 9.238,40.562 9.8,40 9.8,32.4 v1(11.2,31) ; v1(20.2,29.138) 20.369,29.308 21.43,29.308 22.222,30.1 v1(30.1,30.1)
GPIO5: P1.B25 U2.4 | length 81.1
  L1 w0.2: v1(10.158,40.881) 10.158,43.998 15.725,49.565 U2.4@15.725,52.35 ; v1(12.5,31) 13.442,30.058 v1(21.119,30.058) ; v1(30.1,31.25) 31.752,31.25 35.15,27.852 35.15,22.181 38.781,18.55 42.335,18.55 47.55,13.335 P1.B25@47.55,3.5
  L4 w0.2: v1(10.158,40.881) 10.15,40.873 10.15,33.35 v1(12.5,31) ; v1(21.119,30.058) 21.688,30.627 28.822,30.627 29.445,31.25 v1(30.1,31.25)
GPIO6: P1.B26 U2.5 | length 81.2
  L1 w0.2: v1(11.077,41.8) 11.077,44.272 16.225,49.42 U2.5@16.225,52.35 ; v1(12.5,32.3) 13.823,30.977 v1(20.2,30.977) ; v1(30.1,32.4) 31.097,32.4 35.5,27.997 35.5,22.326 38.926,18.9 42.48,18.9 48.55,12.83 P1.B26@48.55,3.5
  L4 w0.2: v1(11.077,41.8) 11.077,40.377 10.5,39.8 10.5,34.3 v1(12.5,32.3) ; v1(20.2,30.977) 28.677,30.977 v1(30.1,32.4)
GPIO7: P1.B27 U2.58 | length 85
  L1 w0.2: U2.58@33.575,64.7 35.1,64.7 40.7,70.3 43,70.3 43.8,69.5 43.8,56.56 39.3,52.06 39.3,38.245 49.55,27.995 P1.B27@49.55,3.5
GPIO8: P1.B28 U2.59 | length 85.8
  L1 w0.2: U2.59@33.575,65.2 35.105,65.2 40.555,70.65 43.145,70.65 44.15,69.645 44.15,56.415 39.65,51.915 39.65,38.39 49.9,28.14 49.9,13 50.55,12.35 P1.B28@50.55,3.5
GPIO9: P1.B29 U2.60 | length 86.6
  L1 w0.2: U2.60@33.575,65.7 35.11,65.7 40.41,71 43.29,71 44.5,69.79 44.5,56.27 40,51.77 40,38.535 50.25,28.285 50.25,13.555 51.55,12.255 P1.B29@51.55,3.5
GPIO10: P1.B30 U2.63 | length 86.9
  L1 w0.2: U2.63@33.575,67.2 36.115,67.2 40.265,71.35 43.435,71.35 44.85,69.935 44.85,56.125 40.35,51.625 40.35,38.68 50.6,28.43 50.6,14.205 52.55,12.255 P1.B30@52.55,3.5
GPIO11: P1.B31 U2.64 | length 87.2
  L1 w0.2: U2.64@33.575,67.7 36.12,67.7 40.12,71.7 43.58,71.7 45.2,70.08 45.2,55.98 40.7,51.48 40.7,38.825 50.95,28.575 50.95,14.855 53.55,12.255 P1.B31@53.55,4